# KiCad board SUMEC_MK_IV_Pro.kicad_pcb (continued)
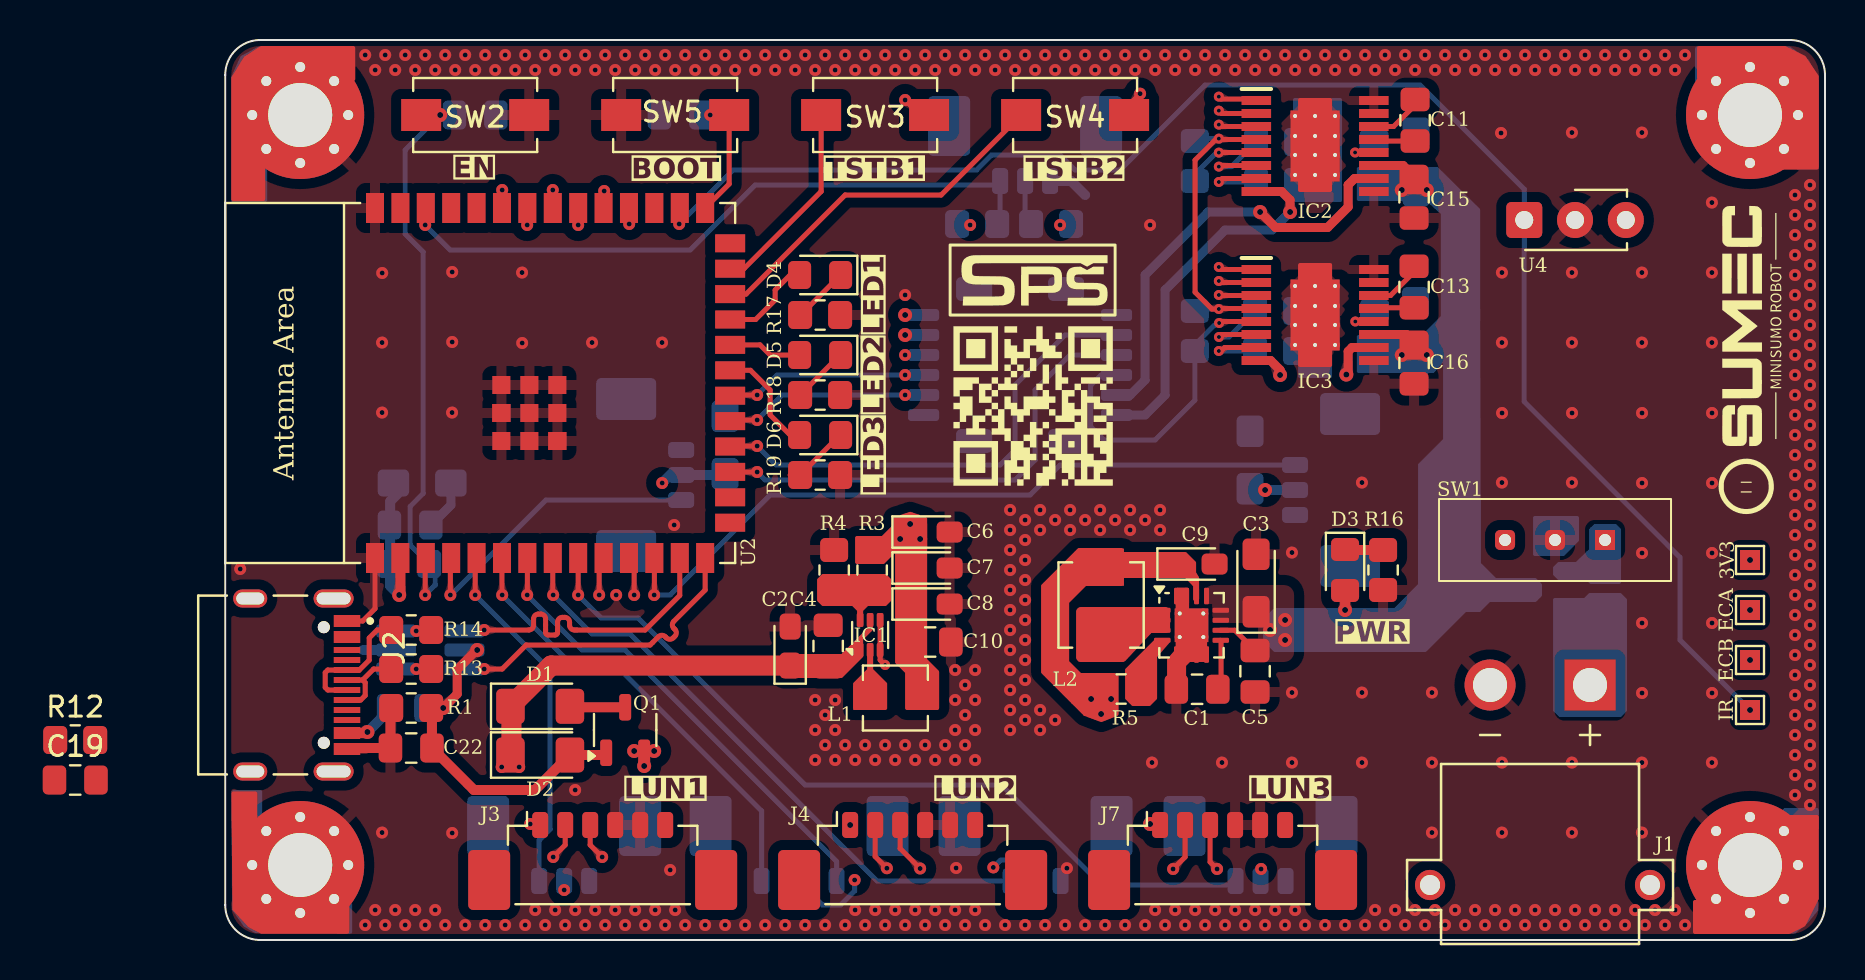
[diagram p0: board, top side]
## Footprints (pads in the part's own frame, mm; a bottom-side part is the same pattern mirrored in y, then rotated) (continued)
VQFN-16-1EP_3x3mm_P0.5mm_EP1.68x1.68mm_ThermalVias
  rrect 0.73x0.73 smd: (-0.42,0.42) (-0.42,-0.42) (0.42,0.42) (0.42,-0.42)
  rrect 0.825x0.25 smd: 1(-1.462,0.75) 2(-1.462,0.25) 3(-1.462,-0.25) 4(-1.462,-0.75) 9(1.462,-0.75) 10(1.462,-0.25) 11(1.462,0.25) 12(1.462,0.75)
  rrect 0.25x0.825 smd: 5(-0.75,-1.462) 6(-0.25,-1.462) 7(0.25,-1.462) 8(0.75,-1.462) 13(0.75,1.462) 14(0.25,1.462) 15(-0.25,1.462) 16(-0.75,1.462)
  round 0.5 hole 0.2: 17(-0.59,0.59) 17(-0.59,-0.59) 17(0.59,0.59) 17(0.59,-0.59)
  rect 1.68x1.68 smd: 17(0,0)
  rect 1.68x1.68 smd far side: 17(0,0)
XT30PW-M
  round 2.55 hole 1.7: N(2.5,-10)
  rect 2.55x2.55 hole 1.7: P(-2.5,-10)
  round 1.508 hole 1: S1(5.5,0) S2(-5.5,0)

## Nets
+3V3: C6.1 C7.1 C8.1 C10.1 C20.1 C21.1 C25.1 C26.1 IC2.5 IC3.5 J5.2 J6.2 J8.3 J10.2 J11.2 J12.4 J13.2 J14.4 L1.2 R3.1 R8.1 R9.1 R15.2 R20.1 R21.1 SW3.1 SW4.1 TP1.1 U2.2 U4.3
+5V: C2.1 C4.1 D1.1 D2.1 IC1.1 IC1.5 J3.1 J4.1 J7.1
+12V: C3.1 C5.1 C12.2 C14.2 C15.2 C16.2 C17.1 C18.1 D3.2 IC2.11 IC3.11 Q2.3 U1.10 U1.11 U1.12 U1.13
GND: C1.1 C2.2 C3.2 C4.2 C5.2 C6.2 C7.2 C8.2 C9.2 C10.2 C15.1 C16.1 C17.2 C18.2 C19.1 C20.2 C21.2 C22.2 C23.2 C24.2 C25.2 C26.2 H1.1 H2.1 H3.1 H4.1 IC1.3 IC1.4 IC2.9 IC2.15 IC2.16 IC2.17 IC3.9 IC3.15 IC3.16 IC3.17 J1.N J2.A1_B12 J2.B1_A12 J3.4 J3.5 J4.4 J4.5 J5.3 J6.3 J7.4 J7.5 J8.2 J9.3 J10.3 J11.3 J12.1 J13.3 J14.1 NOREF. NOREF#2. NOREF#3. NOREF#4. NOREF#5. NOREF#6. NOREF#7. NOREF#8. NOREF#9. NOREF#10. NOREF#11. NOREF#12. NOREF#13. NOREF#14. NOREF#15. NOREF#16. NOREF#17. NOREF#18. NOREF#19. NOREF#20. NOREF#21. NOREF#22. NOREF#23. NOREF#24. R1.2 R4.2 R6.1 R7.1 R10.1 R11.1 R12.2 R16.2 R17.2 R18.2 R19.2 SW1.2 SW2.1 SW5.1 U1.5 U1.6 U1.7 U1.8 U1.15 U1.16 U1.17 U2.1 U2.40 U2.41 U3.2 U4.2
GNDPWR: Q2.1 R2.2 SW1.1
VBATT: J1.P Q2.2 R2.1
VBUS 5V: C22.1 D2.2 F1.1 Q1.1 R1.1 U3.5
/MCU/SHLD: C19.2 J2.S1 J2.S2 J2.S3 J2.S4 R12.1
BOOT: C24.1 SW5.2 U2.27
D+: U2.14 U3.6
D+ IN: J2.A6 J2.B6 R13.1
D-: U2.13 U3.4
D- IN: J2.A7 J2.B7 R14.1
EN: C23.1 R15.1 SW2.2 U2.3
FB: IC1.6 R3.2 R4.1
IN1: IC2.2 U2.33
IN2: IC3.2 U2.34
IR MODULE: TP4.1 U2.28 U4.1
LED1: D4.2 U2.23
LED2: D5.2 U2.22
LED3: D6.2 U2.21
M1A: IC2.8 J12.6
M1B: IC2.10 J12.5
M2A: IC3.8 J14.6
M2B: IC3.10 J14.5
nFAULT: IC2.4 IC3.4 R8.2 R9.2 U2.30
nSLEEP: IC2.3 IC3.3 U2.31
OUT 1A: J12.3 U2.17
OUT 1B: J12.2 U2.18
OUT 2A: J14.3 TP2.1 U2.20
OUT 2B: J14.2 TP3.1 U2.19
POL 1: J5.1 U2.5
POL 2: J6.1 U2.8
POL 3: J10.1 U2.9
PWM1: IC2.1 U2.35
PWM2: IC3.1 U2.32
QRE1113 A: J8.1 U2.6
QRE1113 B: J8.4 U2.7
QRE1113 C: J9.1 R20.2 U2.38
RX: U2.36
SCL: J3.3 J4.3 J7.3 U2.11
SDA: J3.2 J4.2 J7.2 U2.10
SHARP 1: J11.1 U2.12
SHARP 2: J13.1 U2.4
TEST PROGRAM 1: SW3.2 U2.25
TEST PROGRAM 2: SW4.2 U2.24
TX: U2.37
VOUT 5V: C9.1 L2.2 Q1.2 R5.1 U1.14
Net-(D1-A): D1.2 Q1.3
Net-(D3-K): D3.1 R16.1
Net-(D4-K): D4.1 R17.1
Net-(D5-K): D5.1 R18.1
Net-(D6-K): D6.1 R19.1
Net-(F1-Pad2): F1.2 J2.A4_B9 J2.B4_A9
Net-(IC1-SW): IC1.2 L1.1
Net-(IC2-CPH): C11.2 IC2.13
Net-(IC2-CPL): C11.1 IC2.14
Net-(IC2-IMODE): IC2.7 R6.2
Net-(IC2-IPROPI): IC2.6 R10.2
Net-(IC2-VCP): C12.1 IC2.12
Net-(IC3-CPH): C13.2 IC3.13
Net-(IC3-CPL): C13.1 IC3.14
Net-(IC3-IMODE): IC3.7 R7.2
Net-(IC3-IPROPI): IC3.6 R11.2
Net-(IC3-VCP): C14.1 IC3.12
Net-(J9-Pin_2): J9.2 R21.2
Net-(L2-Pad1): L2.1 U1.1 U1.2 U1.3
Net-(R13-Pad2): R13.2 U3.1
Net-(R14-Pad2): R14.2 U3.3
Net-(U1-PG): R5.2 U1.4
Net-(U1-SS/TR): C1.2 U1.9

Pads without a net: J1 S1 S2; J2 A5 A8 B5 B8; J3 6 MP; J4 6 MP; J5 MP; J6 MP; J7 6 MP; J8 MP; J9 MP; J10 MP; J11 MP; J12 MP; J13 MP; J14 MP; SW1 3; U2 15 16 26 29 39

## Via types
v1: diameter 0.6, hole 0.25, Top to Bottom, 489 vias
v2: diameter 0.7, hole 0.3, Top to Bottom, 35 vias
v3: diameter 0.5, hole 0.2, Top to Bottom, 17 vias

## Routing (per net, layer and track width the routed paths; a pad name or vN(x,y) marks a point on that pad's centre or on a via; arc(x,y) is an arc through that point)
+3V3: length 50.1
  Top w0.25: IC2.5 49.69,39.38 v3(49.69,39.37) ; IC3.5 49.78,30.92 v3(49.7,30.85) ; v1(34,42) 34.75,41.25 SW3.1 ; v1(45.75,42.32) 45.2,41.77 SW4.1
  Top w0.5: v2(8.7,17.25) 8.76,17.31 U2.2
  In1.Cu w0.45: 48.25,30.85 v3(49.7,30.85) 51.25,30.85 ; 48.37,39.37 v3(49.69,39.37) 51.38,39.37
  Bottom w0.25: v1(16.95,2.5) J5.2 ; v1(38.41,3.63) 38.78,4 40.12,4 40.53,3.6 J6.2 ; J8.3 29.32,2.3 29.88,1.75 30.77,1.75 31.47,2.45 v1(31.47,3) ; v3(49.7,30.85) 49.59,30.85 49.46,30.72 49.46,30.72 48.49,29.76 R9.1 48.49,26.99 46.5,25 43.95,25 43.28,25.67 43.28,27.72 43.8,28.25 J12.4 ; v3(49.69,39.37) 49.57,39.37 48.49,38.28 R8.1 ; R21.1 41.8,35.8 v1(41.75,35.75)
  Bottom w0.5: R20.1 37.2,35.8 v1(37.25,35.75) ; v1(21.85,22.85) 22.25,23.25 J13.2 24.94,23.25 C25.1 ; 8.91,22.6 8.25,21.94 8.25,17.7 v2(8.7,17.25) ; J11.2 v2(52,22.5)
  vias: v1(34,29.25) v1(51.8,3.55) v2(33.75,20.05) v2(34.25,20.8) v2(34.75,20.05) v2(76.25,19)
+5V: length 56.4
  Top w0.25: 30.75,14.1 30.8,14.1 32.25,15.55 IC1.5
  Top w0.5: 28.31,13.66 C2.1
  Top w1: 14.3,11.64 14.31,11.62 14.31,9.14 ; D1.1 16.3,13.72 C2.1
  In1.Cu w0.5: v2(46.25,5.8) 31.3,5.8 v2(31.25,5.75) 31.2,5.8 v1(15.25,5.8) 14.25,6.8 14.25,8.65 ; 14.25,8.22 v1(13.83,8.65) v1(14.7,8.65) 14.25,8.2
+12V: length 14.7
  Top w0.25: C5.1 50.49,15.49 49.76,15.49
  Top w0.4: v2(60.09,37.5) 60.09,37.54 C15.2 58.84,37.56 v2(58.84,37.5) v2(60.09,37.5)
  Top w0.45: C16.2 58.84,29.28 v2(58.84,29.25) v2(60.09,29.25) C16.2 ; C16.2 59.06,30.28 IC3.11 ; IC2.11 58.9,38.72 C15.2
  Top w0.5: v2(56,16.5) D3.2
  Bottom w0.5: v2(56,16.5) 56,15.5
  vias: v2(52.25,15.5) v2(53,16) v2(53,15)
GND: length 17.3
  Top w0.25: 5.85,16.1 6,15.95 6.88,15.95 7.49,16.56 U2.1 ; IC1.4 IC1.3 32.75,14 v3(33,13.75)
  Top w0.5: 6,9.55 6.05,9.6 C22.2 8.26,11.56 R1.2
  Bottom w0.45: C20.2 11.29,21.75 C21.2
  Bottom w0.5: J9.3 42.3,37.95 43,37.25 ; U3.2 6.9,14.5
  vias: v1(0.75,18.55) v1(7,44.25) v1(7,0.75) v1(7.5,43.5) v1(7.5,1.5) v1(7.85,33.35) v1(7.84,29.87) v1(7.84,26.37) v1(7.84,5.37) v1(8,44.25) v1(8,0.75) v1(8.5,43.5) v1(8.5,1.5) v1(9,44.25) v1(9,0.75) v1(9.5,43.5) v1(9.5,1.5) v1(10,44.25) v1(10,0.75) v1(10.5,43.5) v1(10.5,1.5) v1(11,44.25) v1(11,0.75) v1(11.35,33.4) v1(11.35,29.9) v1(11.34,26.37) v1(11.35,5.35) v1(11.5,43.5) v1(12,44.25) v1(12,0.75) v1(12.5,43.5) v1(13,44.25) v1(13,0.75) v1(13.5,43.5) v1(14,44.25) v1(14,0.75) v1(14.5,43.5) v1(14.84,33.37) v1(14.85,29.85) v1(15,44.25) v1(15,0.75) v1(15.5,43.5) v1(15.5,1.5) v1(16,44.25) v1(16,0.75) v1(16.5,43.5) v1(16.5,1.5) v1(17,44.25) v1(17,0.75) v1(17.5,43.5) v1(17.5,7.5) v1(17.5,1.5) v1(18,44.25) v1(18,0.75) v1(18.34,29.87) v1(18.5,43.5) v1(18.5,1.5) v1(19,44.25) v1(19,0.75) v1(19.5,43.5) v1(19.55,17.25) v1(19.5,1.5) v1(20,44.25) v1(20,0.75) v1(20.5,43.5) v1(20.5,1.5) v1(21,44.25) v1(21,0.75) v1(21.5,43.5) v1(21.5,1.5) v1(21.84,29.87) v1(22,44.25) v1(22,0.75) v1(22.25,3.5) v1(22.45,20.75) v1(22.5,43.5) v1(22.5,1.5) v1(23,44.25) v1(23,0.75) v1(23.5,43.5) v1(24,44.25) v1(24,0.75) v1(24.5,43.5) v1(25,44.25) v1(25,0.75) v1(25.5,43.5) v1(26,44.25) v1(26,0.75) v1(26.5,43.5) v1(27,44.25) v1(27,0.75) v1(27.5,43.5) v1(28,44.25) v1(28,0.75) v1(28.5,43.5) v1(29,44.25) v1(29,0.75) v1(29.5,43.5) v1(29.5,12) v1(29.5,10.5) v1(29.5,9) v1(30,44.25) v1(30,11.25) v1(30,9.75) v1(30,0.75) v1(30.5,43.5) v1(30.5,12) v1(30.5,10.5) v1(30.5,9) v1(31,44.25) v1(31,9.75) v1(31,0.75) v1(31.5,43.5) v1(31.5,9) v1(31.5,1.5) v1(32,44.25) v1(32,9.75) v1(32,0.75) v1(32.5,43.5) v1(32.5,9) v1(32.5,1.5) v1(33,44.25) v1(33,9.75) v1(33,0.75) v1(33.5,43.5) v1(33.5,9) v1(33.5,1.5) v1(34,44.25) v1(34,32.25) v1(34,9.75) v1(34,0.75) v1(34.5,43.5) v1(34.5,9) v1(34.5,1.5) v1(35,44.25) v1(35,9.75) v1(35,0.75) v1(35.5,43.5) v1(35.5,9) v1(35.5,1.5) v1(36,44.25) v1(36,9.75) v1(36,0.75) v1(36.5,43.5) v1(36.5,13.5) v1(36.5,12) v1(36.5,10.5) v1(36.5,9) v1(36.55,3.6) v1(36.5,1.5) v1(37,44.25) v1(37,12.75) v1(37,11.25) v1(37,9.75) v1(37,0.75) v1(37.5,43.5) v1(37.5,13.5) v1(37.5,12) v1(37.5,10.5) v1(37.5,9) v1(37.5,1.5) v1(38,44.25) v1(38,0.75) v1(38.5,43.5) v1(39,44.25) v1(39,0.75) v1(39.25,21.5) v1(39.25,20.5) v1(39.25,19.5) v1(39.25,18.5) v1(39.25,17.5) v1(39.25,16.5) v1(39.25,15.5) v1(39.25,14.5) v1(39.25,13.5) v1(39.25,12.5) v1(39.25,11.5) v1(39.25,10.5) v1(39.5,43.5) v1(40,44.25) v1(40,21) v1(40,20) v1(40,19) v1(40,18) v1(40,17) v1(40,16) v1(40,15) v1(40,14) v1(40,13) v1(40,12) v1(40,11) v1(40,0.75) v1(40.5,43.5) v1(40.75,21.5) v1(40.75,20.5) v1(40.75,11.5) v1(40.75,10.5) v1(41,44.25) v1(41,0.75) v1(41.5,43.5) v1(41.5,21) v1(41.5,11) v1(42,44.25) v1(42,0.75) v1(42.09,3.59) v1(42.25,21.5) v1(42.25,20.5) v1(42.5,43.5) v1(43,44.25) v1(43,21) v1(43,0.75) v1(43.5,43.5) v1(43.75,21.5) v1(43.75,20.5) v1(44,44.25) v1(44,0.75) v1(44.5,43.5) v1(44.5,21) v1(45,44.25) v1(45,0.75) v1(45.25,21.5) v1(45.25,20.5) v1(45.5,43.5) v1(46,44.25) v1(46,21) v1(46,0.75) v1(46.25,35.75) v1(46.34,8.87) v1(46.5,43.5) v1(46.5,1.5) v1(46.75,21.5) v1(46.75,20.5) v1(47,44.25) v1(47,0.75) v1(47.5,43.5) v1(47.5,1.5) v1(48,44.25) v1(48,0.75) v1(48.5,43.5) v1(48.5,1.5) v1(49,44.25) v1(49,0.75) v1(49.5,43.5) v1(49.5,1.5) v1(49.84,8.87) v1(50,44.25) v1(50,0.75) v1(50.5,43.5) v1(50.5,1.5) v1(51,44.25) v1(51,0.75) v1(51.5,43.5) v1(51.5,1.5) v1(52,44.25) v1(52,0.75) v1(52.5,43.5) v1(52.5,1.5) v1(53,44.25) v1(53,0.75) v1(53.34,19.37) v1(53.34,12.37) v1(53.34,8.87) v1(53.5,43.5) v1(53.5,1.5) v1(54,44.25) v1(54,0.75) v1(54.5,43.5) v1(55,44.25) v1(55,0.75) v1(55.5,43.5) v1(56,44.25) v1(56,0.75) v1(56.5,43.5) v1(56.84,22.87) v1(56.84,12.37) v1(56.84,8.87) v1(57,44.25) v1(57,0.75) v1(57.5,43.5) v1(57.5,1.5) v1(58,44.25) v1(58,0.75) v1(58.5,43.5) v1(58.5,1.5) v1(59,44.25) v1(59,0.75) v1(59.5,43.5) v1(59.5,1.5) v1(60,44.25) v1(60,0.75) v1(60.34,12.37) v1(60.34,8.87) v1(60.34,5.37) v1(60.5,43.5) v1(60.5,1.5) v1(61,44.25) v1(61,0.75) v1(61.5,43.5) v1(61.5,1.5) v1(62,44.25) v1(62,0.75) v1(62.5,43.5) v1(62.5,1.5) v1(63,44.25) v1(63,0.75) v1(63.5,43.5) v1(63.5,1.5) v1(63.8,40.35) v1(63.84,33.37) v1(63.84,29.87) v1(63.85,26.35) v1(63.84,22.87) v1(63.84,8.87) v1(63.84,5.37) v1(64,44.25) v1(64,0.75) v1(64.5,43.5) v1(64.5,1.5) v1(65,44.25) v1(65,0.75) v1(65.5,43.5) v1(65.5,1.5) v1(66,44.25) v1(66,0.75) v1(66.5,43.5) v1(66.5,1.5) v1(67,44.25) v1(67,0.75) v1(67.34,40.37) v1(67.34,33.37) v1(67.34,29.87) v1(67.35,26.35) v1(67.34,22.87) v1(67.34,8.87) v1(67.34,5.37) v1(67.5,43.5) v1(67.5,1.5) v1(68,44.25) v1(68,0.75) v1(68.5,43.5) v1(68.5,1.5) v1(69,44.25) v1(69,0.75) v1(69.5,43.5) v1(69.5,1.5) v1(70,44.25) v1(70,0.75) v1(70.5,43.5) v1(70.5,1.5) v1(70.84,40.37) v1(70.84,33.37) v1(70.84,29.87) v1(70.85,26.35) v1(70.85,22.85) v1(70.85,19.35) v1(70.85,15.85) v1(70.85,12.35) v1(70.84,8.87) v1(70.84,5.37) v1(71,44.25) v1(71,0.75) v1(71.5,43.5) v1(71.5,1.5) v1(72,44.25) v1(72,0.75) v1(72.5,43.5) v1(72.5,1.5) v1(73,44.25) v1(73,0.75) v1(74.34,36.87) v1(74.34,33.37) v1(74.34,29.87) v1(74.35,26.35) v1(74.35,22.85) v1(74.35,19.35) v1(74.35,15.85) v1(74.35,12.35) v1(74.34,8.87) v1(78.5,37.25) v1(78.5,36.25) v1(78.5,35.25) v1(78.5,34.25) v1(78.5,33.25) v1(78.5,32.25) v1(78.5,31.25) v1(78.5,30.25) v1(78.5,29.25) v1(78.5,28.25) v1(78.5,27.25) v1(78.5,26.25) v1(78.5,25.25) v1(78.5,24.25) v1(78.5,23.25) v1(78.5,22.25) v1(78.5,21.25) v1(78.5,20.25) v1(78.5,19.25) v1(78.5,18.25) v1(78.5,17.25) v1(78.5,16.25) v1(78.5,15.25) v1(78.5,14.25) v1(78.5,13.25) v1(78.5,12.25) v1(78.5,11.25) v1(78.5,10.25) v1(78.5,9.25) v1(78.5,8.25) v1(78.5,7.25) v1(79.25,37.75) v1(79.25,36.75) v1(79.25,35.75) v1(79.25,34.75) v1(79.25,33.75) v1(79.25,32.75) v1(79.25,31.75) v1(79.25,30.75) v1(79.25,29.75) v1(79.25,28.75) v1(79.25,27.75) v1(79.25,26.75) v1(79.25,25.75) v1(79.25,24.75) v1(79.25,23.75) v1(79.25,22.75) v1(79.25,21.75) v1(79.25,20.75) v1(79.25,19.75) v1(79.25,18.75) v1(79.25,17.75) v1(79.25,16.75) v1(79.25,15.75) v1(79.25,14.75) v1(79.25,13.75) v1(79.25,12.75) v1(79.25,11.75) v1(79.25,10.75) v1(79.25,9.75) v1(79.25,8.75) v1(79.25,7.75) v1(79.25,6.75)
VBUS 5V: length 17.6
  Top w0.45: v2(12.6,14.5) 12.57,14.5 11.6,13.53 11.6,12.3 v2(10.9,11.6) R1.1
  Top w0.5: R1.1 10.34,11.56 C22.1 12.44,7.5 15.49,7.5 D2.2 18.94,9.25 Q1.1
  Bottom w0.45: v2(10.9,11.6) F1.1
BOOT: length 6.1
  Top w0.25: v1(24.25,41.25) SW5.2 25.2,37.8 U2.27
D+: length 15
  Top w0.25: v1(12.95,13.55) 13.85,13.55 15.05,14.75 21.25,14.75 21.67,15.17 arc(21.83,15.24) 22,15.17 22.06,15.11 arc(22.23,15.04) 22.4,15.11 22.49,15.19 arc(22.56,15.36) 22.49,15.53 22.43,15.59 arc(22.36,15.76) 22.43,15.93 24,17.5 U2.14
D+ IN: length 4.4
  Top w0.25: 6.87,13 7,12.87 7,12.22 6.78,12 6,12 ; 6.87,13 7.42,13.55 R13.1 ; 6.87,13 6,13
D-: length 15
  Top w0.25: v1(12.95,15.5) 15.18,15.5 arc(15.35,15.57) 15.42,15.74 15.42,16.06 arc(15.49,16.23) 15.66,16.3 15.78,16.3 arc(15.95,16.23) 16.02,16.06 16.02,15.38 arc(16.06,15.29) 16.15,15.25 16.5,15.25 arc(16.58,15.29) 16.62,15.38 16.62,15.89 arc(16.69,16.06) 16.86,16.13 16.98,16.13 arc(17.15,16.06) 17.22,15.89 17.22,15.74 arc(17.29,15.57) 17.46,15.5 21,15.5 22.73,17.23 U2.13
D- IN: length 7
  Top w0.25: 8.3,15.45 8.3,15.07 ; R14.1 7.6,15.5 7.2,15.1 7.2,13.99 6.71,13.5 5.13,13.5 5,13.37 5,12.63 5.13,12.5 6,12.5
EN: length 28.7
  Top w0.25: 10,17.35 v1(10,17.25) 10,19.07 U2.3
  Bottom w0.25: 10.25,18.75 9.25,19.75 9.25,21.68 9.9,22.33 9.9,34.4 9,35.3 9,39.5 v2(10.75,41.25) C23.1 ; v1(10,17.25) 10.5,17.75 10.5,18.75
IN1: length 37.8
  Top w0.25: IC2.2 49.83,41.33 v3(49.69,41.47) ; v1(16.38,37.5) U2.33
  In2.Cu w0.25: v3(49.69,41.47) 47.35,41.47 45.88,40 33.75,40 32.5,38.75 17.63,38.75 v1(16.38,37.5)
IN2: length 38.5
  Top w0.25: IC3.2 49.76,32.88 v3(49.69,32.95) ; U2.34 15.1,36.59 v1(15.1,35.75)
  In2.Cu w0.25: v3(49.69,32.95) 17.9,32.95 v1(15.1,35.75)
IR MODULE: length 79.4
  Top w0.25: U2.28 22.73,35.83 v1(22.7,35.8)
  Bottom w0.25: v1(22.7,35.8) 25.4,38.5 37.58,38.5 38.33,39.25 41.75,39.25 42.5,38.5 44.75,38.5 48.99,42.74 59.76,42.74 64.96,37.54 64.96,26.92 72.75,19.12 72.75,15 v2(76.25,11.5)
LED1: length 4.7
  Top w0.25: D4.2 28.25,33.25 27.5,32.5 27.5,32 26.53,31.03 25.25,31.03
LED2: length 3.7
  Top w0.25: D5.2 27.25,29.25 26.75,29.75 U2.22
LED3: length 5.5
  Top w0.25: U2.21 26.26,28.48 27.25,27.5 27.25,26.25 28.25,25.25 D6.2
M1A: length 18.4
  Top w0.45: IC2.8 52.82,37.42 53.25,37 v2(53.25,36.4)
  Bottom w0.45: J12.6 46,26.25 47,27.25 47,32.5 50,35.5 52.35,35.5 v2(53.25,36.4)
M1B: length 21.7
  Top w0.45: IC2.10 56.47,38.08 56.16,37.75 56.16,36.66 55.12,35.62 52.53,35.62 v2(51.75,36.4)
  Bottom w0.45: J12.5 45.25,27.25 46,28 46,33.25 49.15,36.4 v2(51.75,36.4)
M2A: length 21.6
  Top w0.45: v2(52.75,28.25) 52.75,28.5 52.28,28.97 IC3.8
  In2.Cu w0.45: v2(52.75,28.25) 39.12,28.25 36.12,31.25 v2(34,31.25)
M2B: length 26.3
  Top w0.45: IC3.10 56.35,29.62 56.16,29.43 56.16,28.36 v2(56.06,28.27)
  In2.Cu w0.45: v2(34,30.25) 35.75,30.25 38.78,27.22 55.02,27.22 v2(56.06,28.27)
nFAULT: length 47.3
  Top w0.25: IC2.4 49.73,40.03 v3(49.69,40.07) 49.57,40.07 48.5,38.99 48.5,32.39 49.34,31.55 v3(49.69,31.55) 49.71,31.58 IC3.4
  In2.Cu w0.25: v3(49.69,40.07) 48.69,40.07 46.62,38 34.75,38 33.5,36.75 21.15,36.75 v1(20.2,35.8)
  Bottom w0.25: v3(49.69,31.55) 48.59,31.55 R9.2 ; R8.2 48.61,40.07 v3(49.69,40.07)
nSLEEP: length 46.1
  Top w0.25: IC3.3 49.71,32.22 v3(49.69,32.25) ; v1(18.95,37.45) 18.95,36.63 U2.31 ; v3(49.69,40.77) 49.78,40.67 IC2.3
  In2.Cu w0.25: v1(18.95,37.45) 19.25,37.75 33,37.75 34.25,39 46.25,39 48.02,40.77 v3(49.69,40.77) 49.8,40.77 50.5,40.07 50.5,32.95 49.8,32.25 v3(49.69,32.25)
OUT 1A: length 24.6
  Top w0.25: v1(26.6,23.4) 25.25,23.4 U2.17
  Bottom w0.25: 45.07,29.25 42.25,29.25 40.5,27.5 40.5,24 39.5,23 27,23 v1(26.6,23.4)
OUT 1B: length 25
  Top w0.25: v1(26.6,24.7) 25.28,24.7 U2.18
  Bottom w0.25: 26.75,24.75 26.65,24.75 v1(26.6,24.7) 27.55,23.75 38.75,23.75 39.5,24.5 39.5,27.75 42,30.25 45.07,30.25
OUT 2A: length 58.2
  Top w0.25: U2.20 25.28,27.25 v1(26.6,27.25)
  In2.Cu w0.25: v1(34,28.25) 35.25,28.25 38,25.5 70,25.5 75,20.5 75,17.25 75.75,16.5 v2(76.25,16.5)
  Bottom w0.25: v1(26.6,27.25) 27.6,28.25 v1(34,28.25)
OUT 2B: length 59.3
  Top w0.25: 26.69,25.97 26.66,26 25.31,26 U2.19
  In2.Cu w0.25: v1(34,27.25) 34.88,27.25 38.12,24 68.5,24 73.25,19.25 73.25,15.75 75,14 v2(76.25,14)
  Bottom w0.25: 26.69,25.97 26.63,25.97 v1(26.6,26) 27.85,27.25 v1(34,27.25)
POL 1: length 18
  Top w0.25: v1(12.5,17.25) 12.5,19.03 U2.5
  Bottom w0.25: J5.1 15.7,4.99 16.25,5.54 16.25,13.5 v1(12.5,17.25)
POL 2: length 30.6
  Top w0.25: 16.38,17.38 U2.8
  Bottom w0.25: 16.35,17.25 v1(16.4,17.25) 18.35,15.3 20.25,15.3 32.6,2.95 J6.1
POL 3: length 40.8
  Top w0.25: v1(17.65,17.25) U2.9
  Bottom w0.25: v1(17.65,17.25) 18.8,16.1 20.65,16.1 29,7.75 38.81,7.75 43.81,2.75 50.32,2.75 J10.1
PWM1: length 39.7
  Top w0.25: v3(49.69,42.17) 49.81,42.05 51.49,42.05 51.56,41.97
  In2.Cu w0.25: v3(49.69,42.17) 46.67,42.17 45.5,41 33.25,41 32,39.75 16.1,39.75 v1(13.85,37.5)
PWM2: length 35.7
  Top w0.25: IC3.1 49.81,33.53 v3(49.69,33.65) ; v1(17.65,35.75) U2.32
  In2.Cu w0.25: v1(17.65,35.75) 19.4,34 49.34,34 v3(49.69,33.65)
QRE1113 A: length 23
  Top w0.25: U2.6 13.84,17.41 14,17.25
  Bottom w0.25: J8.1 26.82,6.45 19.58,13.7 17.4,13.7 v1(13.85,17.25) 14,17.25
QRE1113 B: length 24
  Top w0.25: U2.7 15.11,17.39 15.25,17.25
  Bottom w0.25: 15.25,17.25 v1(15.1,17.25) 17.85,14.5 20,14.5 30.57,3.92 J8.4
QRE1113 C: length 33.8
  Top w0.25: U2.38 10,36.57 v1(10,35.75)
  Bottom w0.25: v1(10,35.75) 11.25,34.5 23.25,34.5 26.5,37.75 38.55,37.75 J9.1 38.75,35.95 R20.2
RX: length 0.3
  Top w0.25: U2.36 12.79,36.82
SCL: length 58
  Top w0.25: J3.3 18.25,4.75 v1(18.85,4.15) ; v1(49.6,3.55) 49.25,3.9 J7.3 ; v1(34.75,3.58) 33.75,4.58 J4.3 ; v1(20.45,17.25) 20.45,18.84 U2.11
  In2.Cu w0.25: v1(20.45,17.25) 20.45,15.7 18.85,14.1 18.85,12.21 arc(18.92,12.04) 19.09,11.97 19.43,11.97 arc(19.6,11.9) 19.67,11.73 19.67,11.61 arc(19.6,11.44) 19.43,11.37 19.09,11.37 arc(18.92,11.3) 18.85,11.13 v1(18.85,4.15) 19.45,4.75 33.57,4.75 arc(33.74,4.68) 33.91,4.75 34.2,5.04 arc(34.37,5.11) 34.54,5.04 34.63,4.95 arc(34.7,4.78) 34.63,4.61 34.34,4.33 arc(34.27,4.16) 34.34,3.99 v1(34.75,3.58) 35.93,4.75 48.4,4.75 48.53,4.62 arc(48.65,4.57) 48.78,4.62 arc(48.91,4.68) 49.03,4.62 49.2,4.46 arc(49.26,4.33) 49.2,4.2 arc(49.15,4.07) 49.2,3.95 v1(49.6,3.55)
SDA: length 57.9
  Top w0.25: 18.75,17.25 18.7,17.3 ; v1(18.7,17.25) 18.7,18.88 U2.10 ; J3.2 17,4.75 v1(16.4,4.15) ; J4.2 32.5,4.17 v1(33.09,3.59) ; v1(47.4,3.55) 48,4.15 J7.2
  In2.Cu w0.25: 18.75,17.25 v1(18.7,17.25) 18.7,16.45 16.4,14.15 16.4,7.63 arc(16.33,7.46) 16.16,7.39 15.96,7.39 arc(15.79,7.32) 15.72,7.15 15.72,7.03 arc(15.79,6.86) 15.96,6.79 16.16,6.79 arc(16.33,6.72) 16.4,6.55 v1(16.4,4.15) 18.25,2.3 31.8,2.3 v1(33.09,3.59) 34.38,2.3 44.78,2.3 arc(44.95,2.37) 45.02,2.54 45.02,2.65 arc(45.09,2.82) 45.26,2.89 45.38,2.89 arc(45.55,2.82) 45.62,2.65 45.62,2.54 arc(45.69,2.37) 45.86,2.3 46.15,2.3 v1(47.4,3.55)
SHARP 1: length 36.6
  Top w0.25: 21.46,17.21 U2.12
  Bottom w0.25: J11.1 41.75,23.75 40.25,22.25 27.25,22.25 22.25,17.25 v1(21.45,17.25)
SHARP 2: length 15.4
  Top w0.25: v1(11.26,17.25) 11.26,19.06 U2.4
  Bottom w0.25: J13.1 16.04,22 11.29,17.25 v1(11.26,17.25)
TEST PROGRAM 1: length 10
  Top w0.25: SW3.2 29.8,37.42 25.94,33.56 U2.25
TEST PROGRAM 2: length 18.3
  Top w0.25: U2.24 26.04,32.3 31,37.25 35.8,37.25 SW4.2
VOUT 5V: length 31.2
  In1.Cu w1: v2(20.95,8.7) 20.45,9.2 v2(20.45,9.45) v2(21.45,9.45) 21.45,9.2 v2(20.95,8.7) ; v2(20.95,8.7) 22.5,7.15 39.95,7.15 44.3,11.5 44.3,11.75 43.2,11.75 43.2,10.65
  vias: v2(43.3,12.05) v2(43.8,11.3) v2(44.3,12.05)
Net-(D1-A): length 2.8
  Top w0.5: Q1.3 17.28,11.64 D1.2
Net-(D3-K): length 1.9
  Top w0.5: R16.1 56.03,19.5 D3.1
Net-(D4-K): length 2.9
  Top w0.25: R17.1 28.78,31.25 D4.1
Net-(D5-K): length 2.9
  Top w0.25: R18.1 30.75,29.25 D5.1
Net-(D6-K): length 2.9
  Top w0.25: 28.78,23.25 28.78,23.28 30.75,25.25 D6.1 ; 28.25,23.25 28.28,23.25
Net-(F1-Pad2): length 2.7
  Top w0.5: v2(7.11,10.4) 7.06,10.35 6,10.35
  Bottom w0.5: v2(7.11,10.4) 8.06,11.35 F1.2
Net-(IC2-CPH): length 2.1
  Top w0.25: C11.2 57.51,39.95 IC2.13
Net-(IC2-CPL): length 2.8
  Top w0.25: 59.5,42.03 59.5,41.75 58.43,40.67 IC2.14
Net-(IC2-IMODE): length 3.8
  Top w0.25: v3(49.69,37.9) 49.86,38.08 IC2.7
  Bottom w0.25: R6.2 v3(49.69,37.9)
Net-(IC2-IPROPI): length 4.3
  Top w0.25: v3(49.69,38.67) 49.74,38.72 IC2.6
  Bottom w0.25: v3(49.69,38.67) 50.32,38.67 R10.2
Net-(IC2-VCP): length 2.1
  Top w0.25: v3(56.5,39.38) IC2.12
  Bottom w0.25: C12.1 56.89,39.38 v3(56.5,39.38)
Net-(IC3-CPH): length 2
  Top w0.25: IC3.13 57.48,31.61 C13.2
Net-(IC3-CPL): length 2.8
  Top w0.25: C13.1 59.45,33.4 58.28,32.22 IC3.14
Net-(IC3-IMODE): length 3.8
  Top w0.25: IC3.7 49.98,29.62 49.81,29.45 v3(49.69,29.45)
  Bottom w0.25: R7.2 v3(49.69,29.45)
Net-(IC3-IPROPI): length 4.3
  Top w0.25: IC3.6 49.82,30.28 v3(49.69,30.15)
  Bottom w0.25: v3(49.69,30.15) 50.2,30.15 R11.2
Net-(IC3-VCP): length 2.1
  Top w0.25: v3(56.51,30.92) IC3.12
  Bottom w0.25: v3(56.51,30.92) 56.94,30.92 C14.1
Net-(J9-Pin_2): length 2.3
  Bottom w0.25: 40.3,36.05 40,36.35 40,38.2
Net-(R13-Pad2): length 0.8
  Top w0.25: R13.2 v1(9.55,13.55)
Net-(R14-Pad2): length 1.6
  Top w0.25: v1(9.55,15.45) 10.25,15.45 R14.2
  Bottom w0.25: U3.3 9.4,15.45
Net-(U1-SS/TR): length 2.5
  Top w0.25: 49.76,14.99 49.8,14.95 49.8,12.7 C1.2
unconnected-(U2-IO36-Pad29): length 0.1
  Top w0.25: 21.5,36.56 U2.29

## Copper pours and planes (outline as drawn; the poured copper is in the pictures)
+3V3 on Top (solid shape): 35,19.56 35,21.06 34.25,21.31 33.5,21.06 33.5,19.56
+3V3 on Top (solid shape): 33.6,20.82 32.88,20.1 31.6,20.1 31.6,18.9 32.9,18.9 33.6,19.6
+3V3 on Top (solid shape): 35.6,13.4 35.6,11.6 34.1,11.6 34.1,13.4 33.6,13.9 33.6,20.82 35,20.81 35,14
+3V3 on In1.Cu: 80,0 0,0 0,45 80,45
+5V on Top (solid shape): 31.8,14.2 30.8,13.2 27.9,13.2 27.9,14.2 30.9,14.2 31.8,15.1
+12V on Bottom (solid shape): 65.5,18 65.75,17.75 65.75,17.25 65.5,17 63.2,17 62.7,16.5 62.7,18.7 62.75,18.75 63.5,18
+12V on Bottom (solid shape): 59.75,23.75 61,25 61,31.5 62.66,31.5 62.7,16.5 60.25,16.5 59.75,17
+12V on Bottom (solid shape): 62.5,17 60,14.5 52.5,14.5 52,15 52,16 52.5,16.5 58.5,16.5 59.75,17.75 59.75,20.5 62.5,20.5
+12V on Bottom (solid shape): 56.69,30.15 59.89,30.15 60.89,31.15 60.89,36.35 60.09,37.05 56.69,37.05 56.69,38.55 60.59,38.55 62.66,36.5 62.66,30.98 60.39,28.45 56.69,28.45
+12V on Top: 48.95,16.8 49.35,16.8 49.35,15.85 50.95,15.85 50.95,15.65 51.65,15.65 51.65,13.9 53.45,13.9 53.45,17.75 48.95,17.75
GND on Top (solid shape): 1.9,37.05 1.9,43.05 6.4,43.05 6.4,44.6 1.8,44.6 1.02,44.09 0.4,43.09 0.4,37.05
GND on Top (solid shape): 6.1,1.9 1.5,1.9 1.5,7.33 0.41,7.33 0.46,1.55 1.23,0.72 1.83,0.41 6.1,0.41
GND on Top (solid shape): 73.7,43.12 77.95,43.12 77.95,38.62 79.59,38.62 79.59,43.17 78.95,44.12 77.99,44.6 73.7,44.6
GND on Top (solid shape): 78,6.15 78,1.9 73.5,1.9 73.5,0.4 78.2,0.4 78.93,0.77 79.59,2.08 79.59,6.15
GND on Top (solid shape): 48.1,17.52 47.63,17.52 47.63,14.5 47.2,14 47.2,12.25 47.95,12.25 47.95,13.75 48.2,14 49,14 49,15.55 48.1,16.5
GND on Bottom (solid shape): 66.9,19.3 65.5,19.3 65.5,21.1 67.6,21.1 67.6,20
GND on Bottom (solid shape): 1.75,7.4 1.75,1.75 6.25,1.75 6.25,0.41 1.51,0.45 1,0.75 0.44,1.54 0.41,7.4
GND on Bottom (solid shape): 6.25,43 2,43 2,37 0.4,37 0.4,43.13 0.85,44.12 1.68,44.57 6.25,44.56
GND on Bottom (solid shape): 73.75,2 78,2 78,6.5 79.59,6.5 79.55,1.51 79.09,0.95 78.47,0.42 73.75,0.42
GND on Bottom (solid shape): 78.1,38.7 78.1,42.95 73.6,42.95 73.6,44.58 78.2,44.58 79.1,43.95 79.6,42.95 79.6,38.7
GND on Top, Bottom: 80,0 0,0 0,45 80,45
GND on Bottom: 53.05,41.65 55.95,41.65 55.95,37.8 53.05,37.8
GND on In2.Cu: 80,0 0,0 0,45 80,45
GNDPWR on Bottom (solid shape): 67.5,18.7 68.3,19.5 68.8,19 68.8,18.7
GNDPWR on Bottom (solid shape): 68.3,18.6 68.3,20.5 68.5,20.7 69.5,20.7 69.7,20.5 69.7,18.7 69.6,18.6
GNDPWR on Bottom (solid shape): 67.6,18.8 66.7,18.8 66.5,18.6 66.5,18.3 66.7,18.1 68.1,18.1 68.3,17.9 69.7,17.9 69.7,19 69.6,19.1 67.9,19.1
VBATT on Bottom (solid shape): 70,17 69.75,17.25 68.25,17.25 68,17 66.5,17 66.5,11.5 66.75,11.25 69.75,11.25 70,11.5
FB on Top (solid shape): 31.7,16.5 31.4,16.8 29.9,16.8 29.7,17 29.7,18 29.9,18.2 33,18.2 33.2,18 33.2,17 33,16.8 32.1,16.8 31.8,16.5 31.8,15.8 31.7,15.8
VOUT 5V on Top (solid shape): 43.81,11 43,11.3 42.7,13.25 44.57,13.25 44.57,11.3
VOUT 5V on Top (solid shape): 48.5,17.73 48.05,18.2 42.8,18.2 42.8,19.3 48,19.3 48.45,18.85 48.45,18.35 48.6,18.1 48.6,17.05 48.5,17.05
VOUT 5V on Top (solid shape): 44.8,19.5 42.7,19.5 40.9,17.7 40.9,13.4 42.4,11.9 44.1,11.9 44.4,12.2 44.4,13 44.2,13.2 42.8,13.2 42.1,13.9 42.1,16.9 43,17.8 44.8,17.8
Net-(IC1-SW) on Top (solid shape): 32.2,14.7 32.3,14.7 32.3,13.5 33,12.8 33,11.6 31.5,11.6 31.5,12.8 32.2,13.5
Net-(L2-Pad1) on Top (solid shape): 47,16.4 47,15.6 46.2,15.6 44.85,14.15 42.8,14.15 42.8,16.4
Net-(U1-PG) on Top (solid shape): 46.6,15 45.1,13.5 45.1,12.1 45.4,11.8 46.2,11.8 46.5,12.1 46.5,14.18 47.1,14.88 47.1,15

Small or netless copper shapes (teardrops, artwork), in the pictures only: 71 on Top, 43 on Bottom, 9 on In1.Cu, 34 on In2.Cu

## Text on the board
B.Silkscreen: MADE BY BISMARX / (SAVVA POPOV) | SHARP2 | POL1 | QRE_BRD | QRE_BCK | MOTOR2 | POL2 | MOTOR1 | POL3 | SHARP1
F.Silkscreen: ECA | ECB | IR | 3V3 | PWR | LUN1 | LUN2 | LUN3 | LED1 | LED2 | EN | BOOT | TSTB1 | TSTB2 | LED3
